# KiCad board RV523_CellTestBoard.final.kicad_pcb (continued)
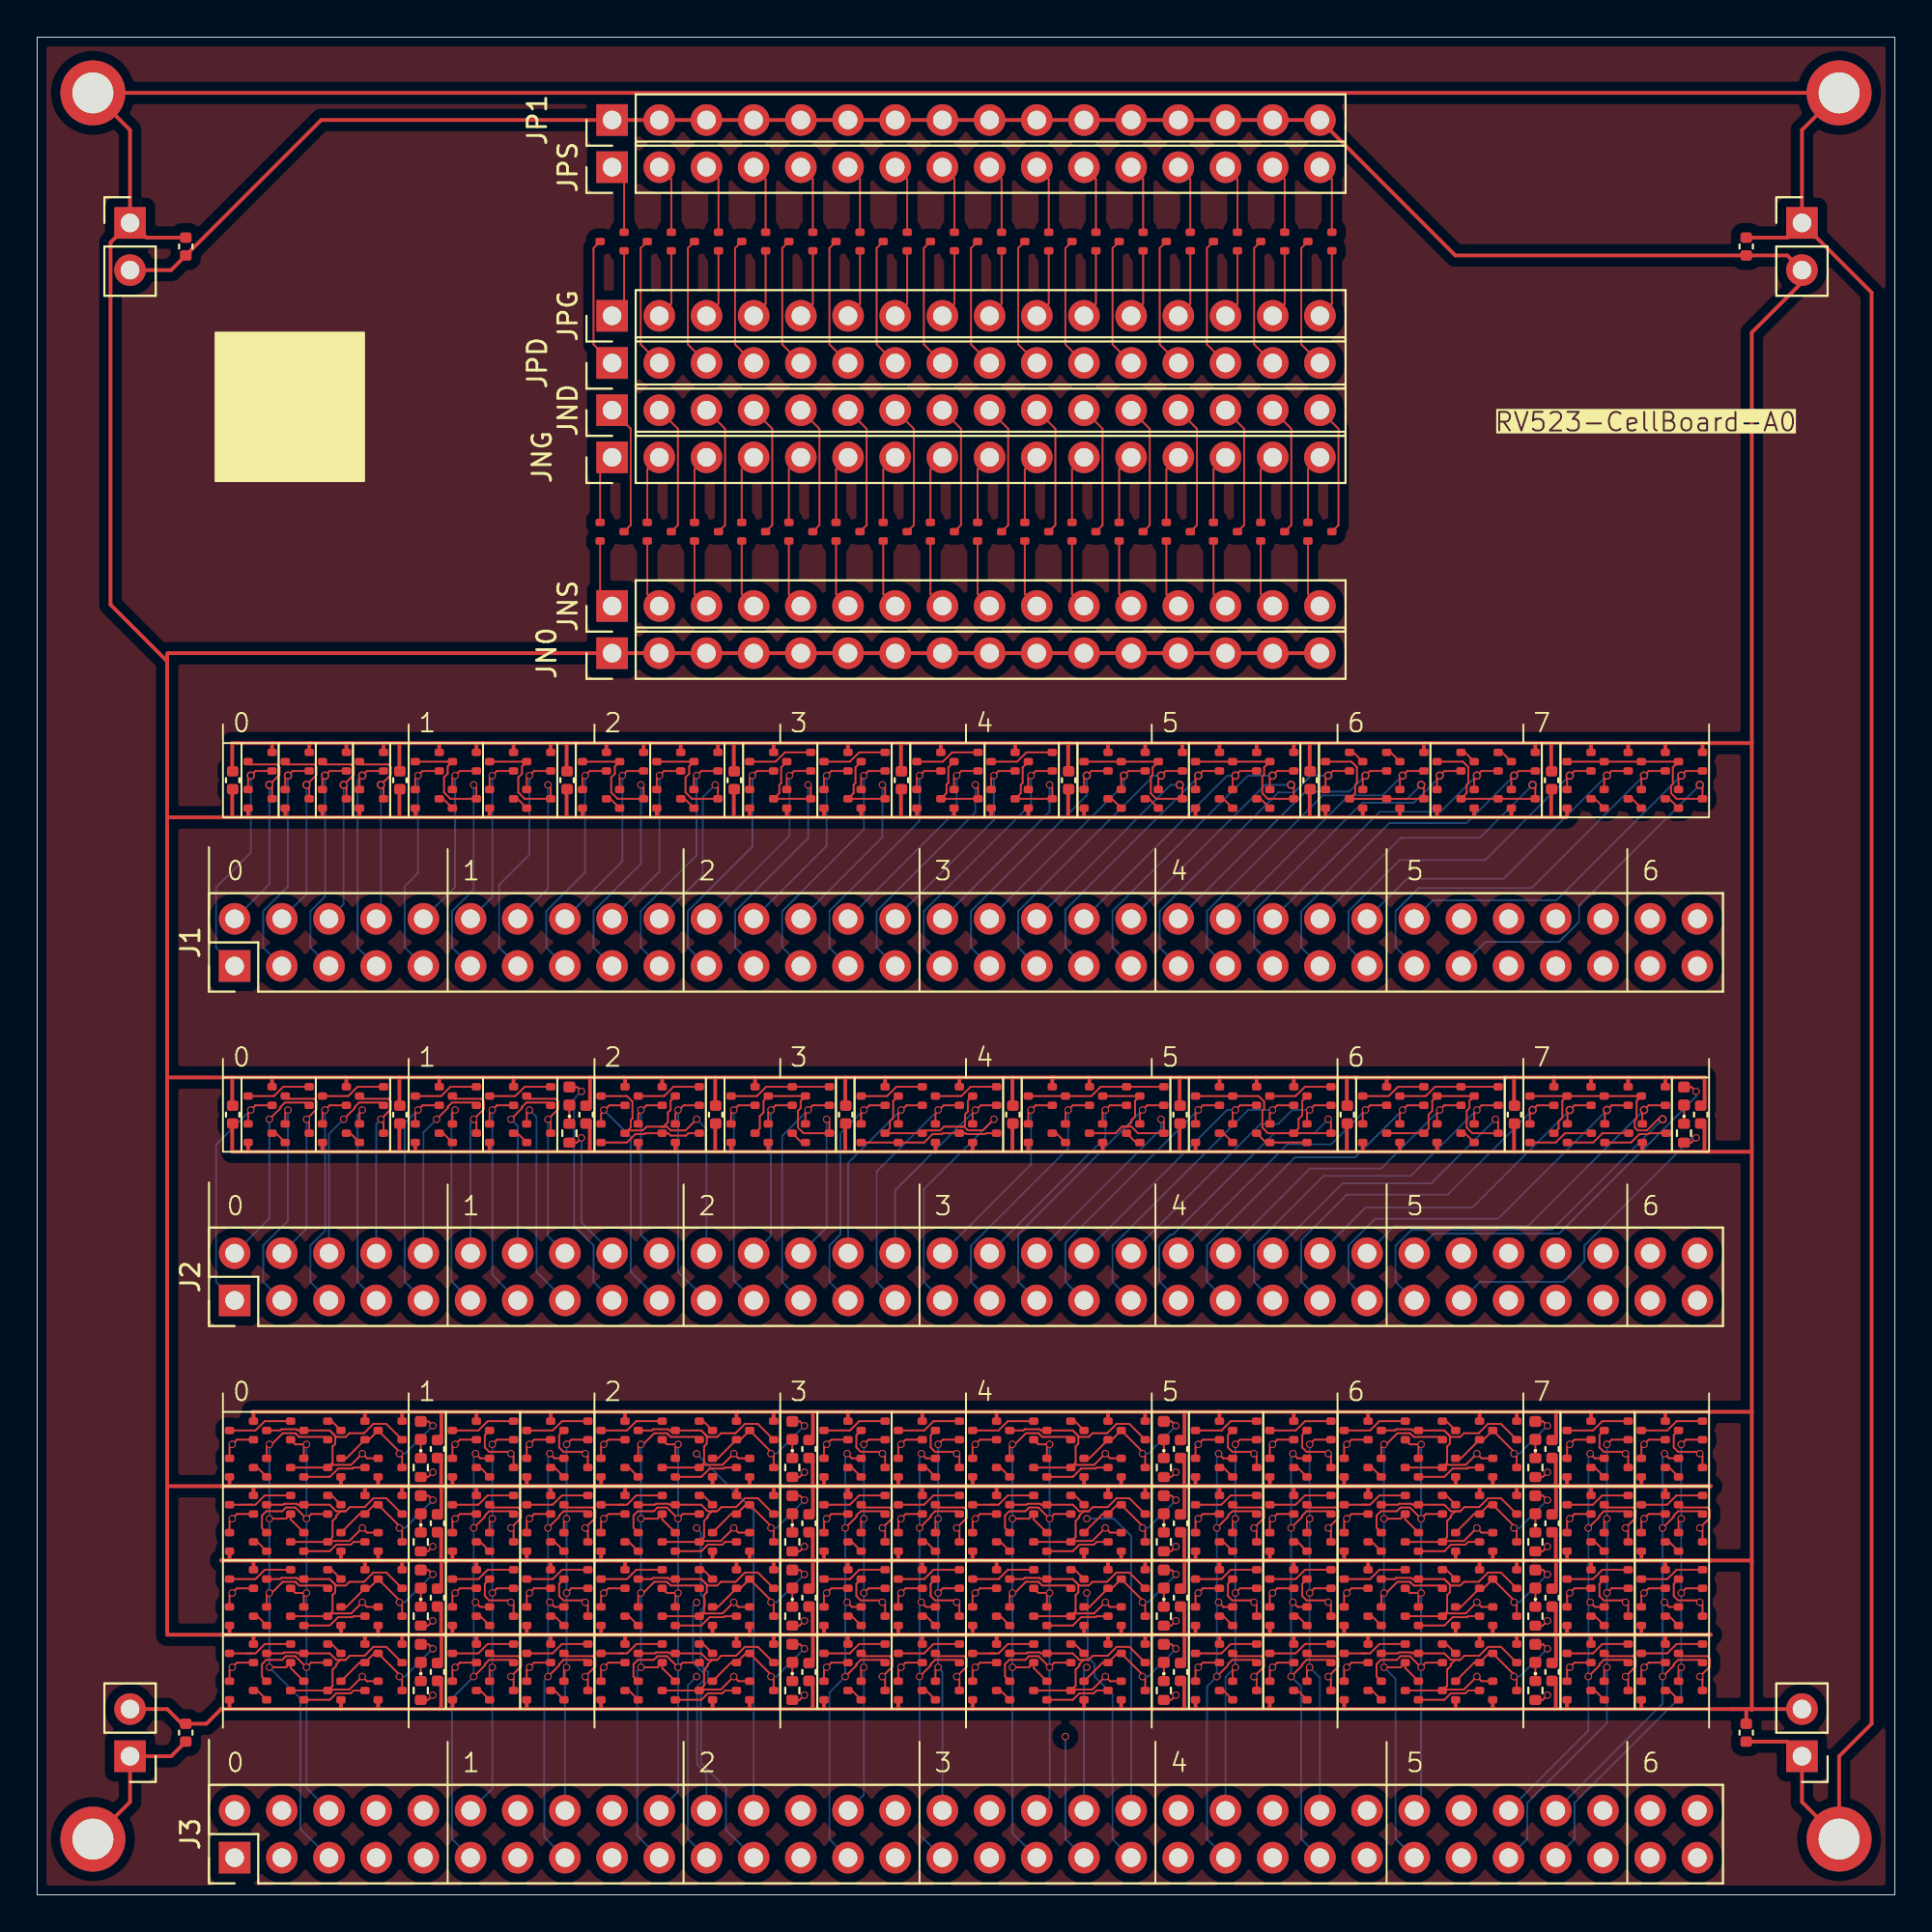
[diagram p0: board, top side]
## Routing (per net, layer and track width the routed paths; a pad name or vN(x,y) marks a point on that pad's centre or on a via; arc(x,y) is an arc through that point) (continued)
OAI211_1.intC: length 0.9
  Top w0.1: OAI211_1.P3.3 76.86,41 OAI211_1.P4.2
OAI211_1.intNA: length 3.5
  Top w0.1: OAI211_1.N1.3 72.75,43 73.25,43.5 OAI211_1.N2.2
OAI211_1.intNB: length 5.5
  Top w0.1: OAI211_1.N4.2 OAI211_1.N3.2 75.25,43.5 74.75,43 OAI211_1.N2.3
PDrains[1]: length 7.1
  Top w0.1: genblk1[1].P.3 29.95,88.64 29.95,83.46 JPD.1
PDrains[2]: length 7.1
  Top w0.1: JPD.2 32.49,83.46 32.49,88.64 genblk1[2].P.3
PDrains[3]: length 7.1
  Top w0.1: JPD.3 35.03,83.46 35.03,88.64 genblk1[3].P.3
PDrains[4]: length 7.1
  Top w0.1: JPD.4 37.57,83.46 37.57,88.64 genblk1[4].P.3
PDrains[5]: length 7.1
  Top w0.1: JPD.5 40.11,83.46 40.11,88.64 genblk1[5].P.3
PDrains[6]: length 7.1
  Top w0.1: JPD.6 42.65,83.46 42.65,88.64 genblk1[6].P.3
PDrains[7]: length 7.1
  Top w0.1: JPD.7 45.19,83.46 45.19,88.64 genblk1[7].P.3
PDrains[8]: length 7.1
  Top w0.1: genblk1[8].P.3 47.73,88.64 47.73,83.46 JPD.8
PDrains[9]: length 7.1
  Top w0.1: genblk1[9].P.3 50.27,88.64 50.27,83.46 JPD.9
PDrains[10]: length 7.1
  Top w0.1: JPD.10 52.81,83.46 52.81,88.64 genblk1[10].P.3
PDrains[11]: length 7.1
  Top w0.1: JPD.11 55.35,83.46 55.35,88.64 genblk1[11].P.3
PDrains[12]: length 7.1
  Top w0.1: JPD.12 57.89,83.46 57.89,88.64 genblk1[12].P.3
PDrains[13]: length 7.1
  Top w0.1: genblk1[13].P.3 60.43,88.64 60.43,83.46 JPD.13
PDrains[14]: length 7.1
  Top w0.1: JPD.14 62.97,83.46 62.97,88.64 genblk1[14].P.3
PDrains[15]: length 7.1
  Top w0.1: JPD.15 65.51,83.46 65.51,88.64 65.86,89
PDrains[16]: length 7.1
  Top w0.1: JPD.16 68.05,83.46 68.05,88.64 genblk1[16].P.3
PGates[1]: length 3.8
  Top w0.1: genblk1[1].P.1 31.59,85.64 JPG.1
PGates[2]: length 3.8
  Top w0.1: JPG.2 34.13,85.64 genblk1[2].P.1
PGates[3]: length 3.8
  Top w0.1: genblk1[3].P.1 36.67,85.64 JPG.3
PGates[4]: length 3.8
  Top w0.1: JPG.4 39.22,85.64 genblk1[4].P.1
PGates[5]: length 3.8
  Top w0.1: JPG.5 41.76,85.64 genblk1[5].P.1
PGates[6]: length 3.8
  Top w0.1: JPG.6 44.3,85.64 genblk1[6].P.1
PGates[7]: length 3.8
  Top w0.1: JPG.7 46.84,85.64 genblk1[7].P.1
PGates[8]: length 3.8
  Top w0.1: JPG.8 49.38,85.64 genblk1[8].P.1
PGates[9]: length 3.8
  Top w0.1: JPG.9 51.91,85.64 genblk1[9].P.1
PGates[10]: length 3.8
  Top w0.1: genblk1[10].P.1 54.45,85.64 JPG.10
PGates[11]: length 3.8
  Top w0.1: JPG.11 56.99,85.64 genblk1[11].P.1
PGates[12]: length 3.8
  Top w0.1: JPG.12 59.53,85.64 genblk1[12].P.1
PGates[13]: length 3.8
  Top w0.1: genblk1[13].P.1 62.08,85.64 JPG.13
PGates[14]: length 3.8
  Top w0.1: JPG.14 64.61,85.64 genblk1[14].P.1
PGates[15]: length 3.8
  Top w0.1: genblk1[15].P.1 67.16,85.64 JPG.15
PGates[16]: length 3.8
  Top w0.1: JPG.16 69.69,85.64 genblk1[16].P.1
PSources[1]: length 3.8
  Top w0.1: genblk1[1].P.2 31.59,92.36 JPS.1
PSources[2]: length 3.8
  Top w0.1: genblk1[2].P.2 34.13,92.36 JPS.2
PSources[3]: length 3.8
  Top w0.1: genblk1[3].P.2 36.67,92.36 JPS.3
PSources[4]: length 3.8
  Top w0.1: genblk1[4].P.2 39.22,92.36 JPS.4
PSources[5]: length 3.8
  Top w0.1: genblk1[5].P.2 41.76,92.36 JPS.5
PSources[6]: length 3.8
  Top w0.1: genblk1[6].P.2 44.3,92.36 JPS.6
PSources[7]: length 3.8
  Top w0.1: genblk1[7].P.2 46.84,92.36 JPS.7
PSources[8]: length 3.8
  Top w0.1: genblk1[8].P.2 49.38,92.36 JPS.8
PSources[9]: length 3.8
  Top w0.1: JPS.9 51.91,92.36 genblk1[9].P.2
PSources[10]: length 3.8
  Top w0.1: genblk1[10].P.2 54.45,92.36 JPS.10
PSources[11]: length 3.8
  Top w0.1: genblk1[11].P.2 56.99,92.36 JPS.11
PSources[12]: length 3.8
  Top w0.1: genblk1[12].P.2 59.53,92.36 JPS.12
PSources[13]: length 3.8
  Top w0.1: genblk1[13].P.2 62.08,92.36 JPS.13
PSources[14]: length 3.8
  Top w0.1: genblk1[14].P.2 64.61,92.36 JPS.14
PSources[15]: length 3.8
  Top w0.1: JPS.15 67.16,92.36 genblk1[15].P.2
PSources[16]: length 3.8
  Top w0.1: genblk1[16].P.2 69.69,92.36 JPS.16
TINV_1.intN: length 3.5
  Top w0.1: TINV_1.N2.2 13.25,43.5 12.75,43 TINV_1.N1.3
TINV_1.intP: length 0.9
  Top w0.1: TINV_1.P1.3 12.86,41 TINV_1.P2.2
TINV_2.intN: length 3.5
  Top w0.1: TINV_2.N2.2 17.25,43.5 16.75,43 TINV_2.N1.3
TINV_2.intP: length 0.9
  Top w0.1: TINV_2.P2.2 16.86,41 TINV_2.P1.3
TINV_3.intN: length 3.5
  Top w0.1: TINV_3.N2.2 22.25,43.5 21.75,43 TINV_3.N1.3
TINV_3.intP: length 0.9
  Top w0.1: TINV_3.P1.3 21.86,41 TINV_3.P2.2
TINV_4.intN: length 3.5
  Top w0.1: TINV_4.N1.3 25.75,43 26.25,43.5 TINV_4.N2.2
TINV_4.intP: length 0.9
  Top w0.1: TINV_4.P2.2 25.86,41 TINV_4.P1.3

## Copper pours and planes (outline as drawn; the poured copper is in the pictures)
VDD on In2.Cu: 0,100 100,100 100,0 0,0
(no net) on Top, Bottom, In1.Cu: 0,100 100,100 100,0 0,0

## Text on the board
F.Silkscreen: RV523-CellBoard-A0 | 0 | 1 | 2 | 3 | 4 | 5 | 6 | 7
